# Altium PCB 10515.0462_全联供主板(2拼版)_V1.0.PcbDoc (part 7 of 18)
Units mm, origin at the board's own origin, x right, y up, seen from the top; angles counter-clockwise.
Board outline 282 x 198 mm, 2 copper layers (Top Layer, Bottom Layer); 716 components, 0 nets, 2364 pads, 1800 vias.
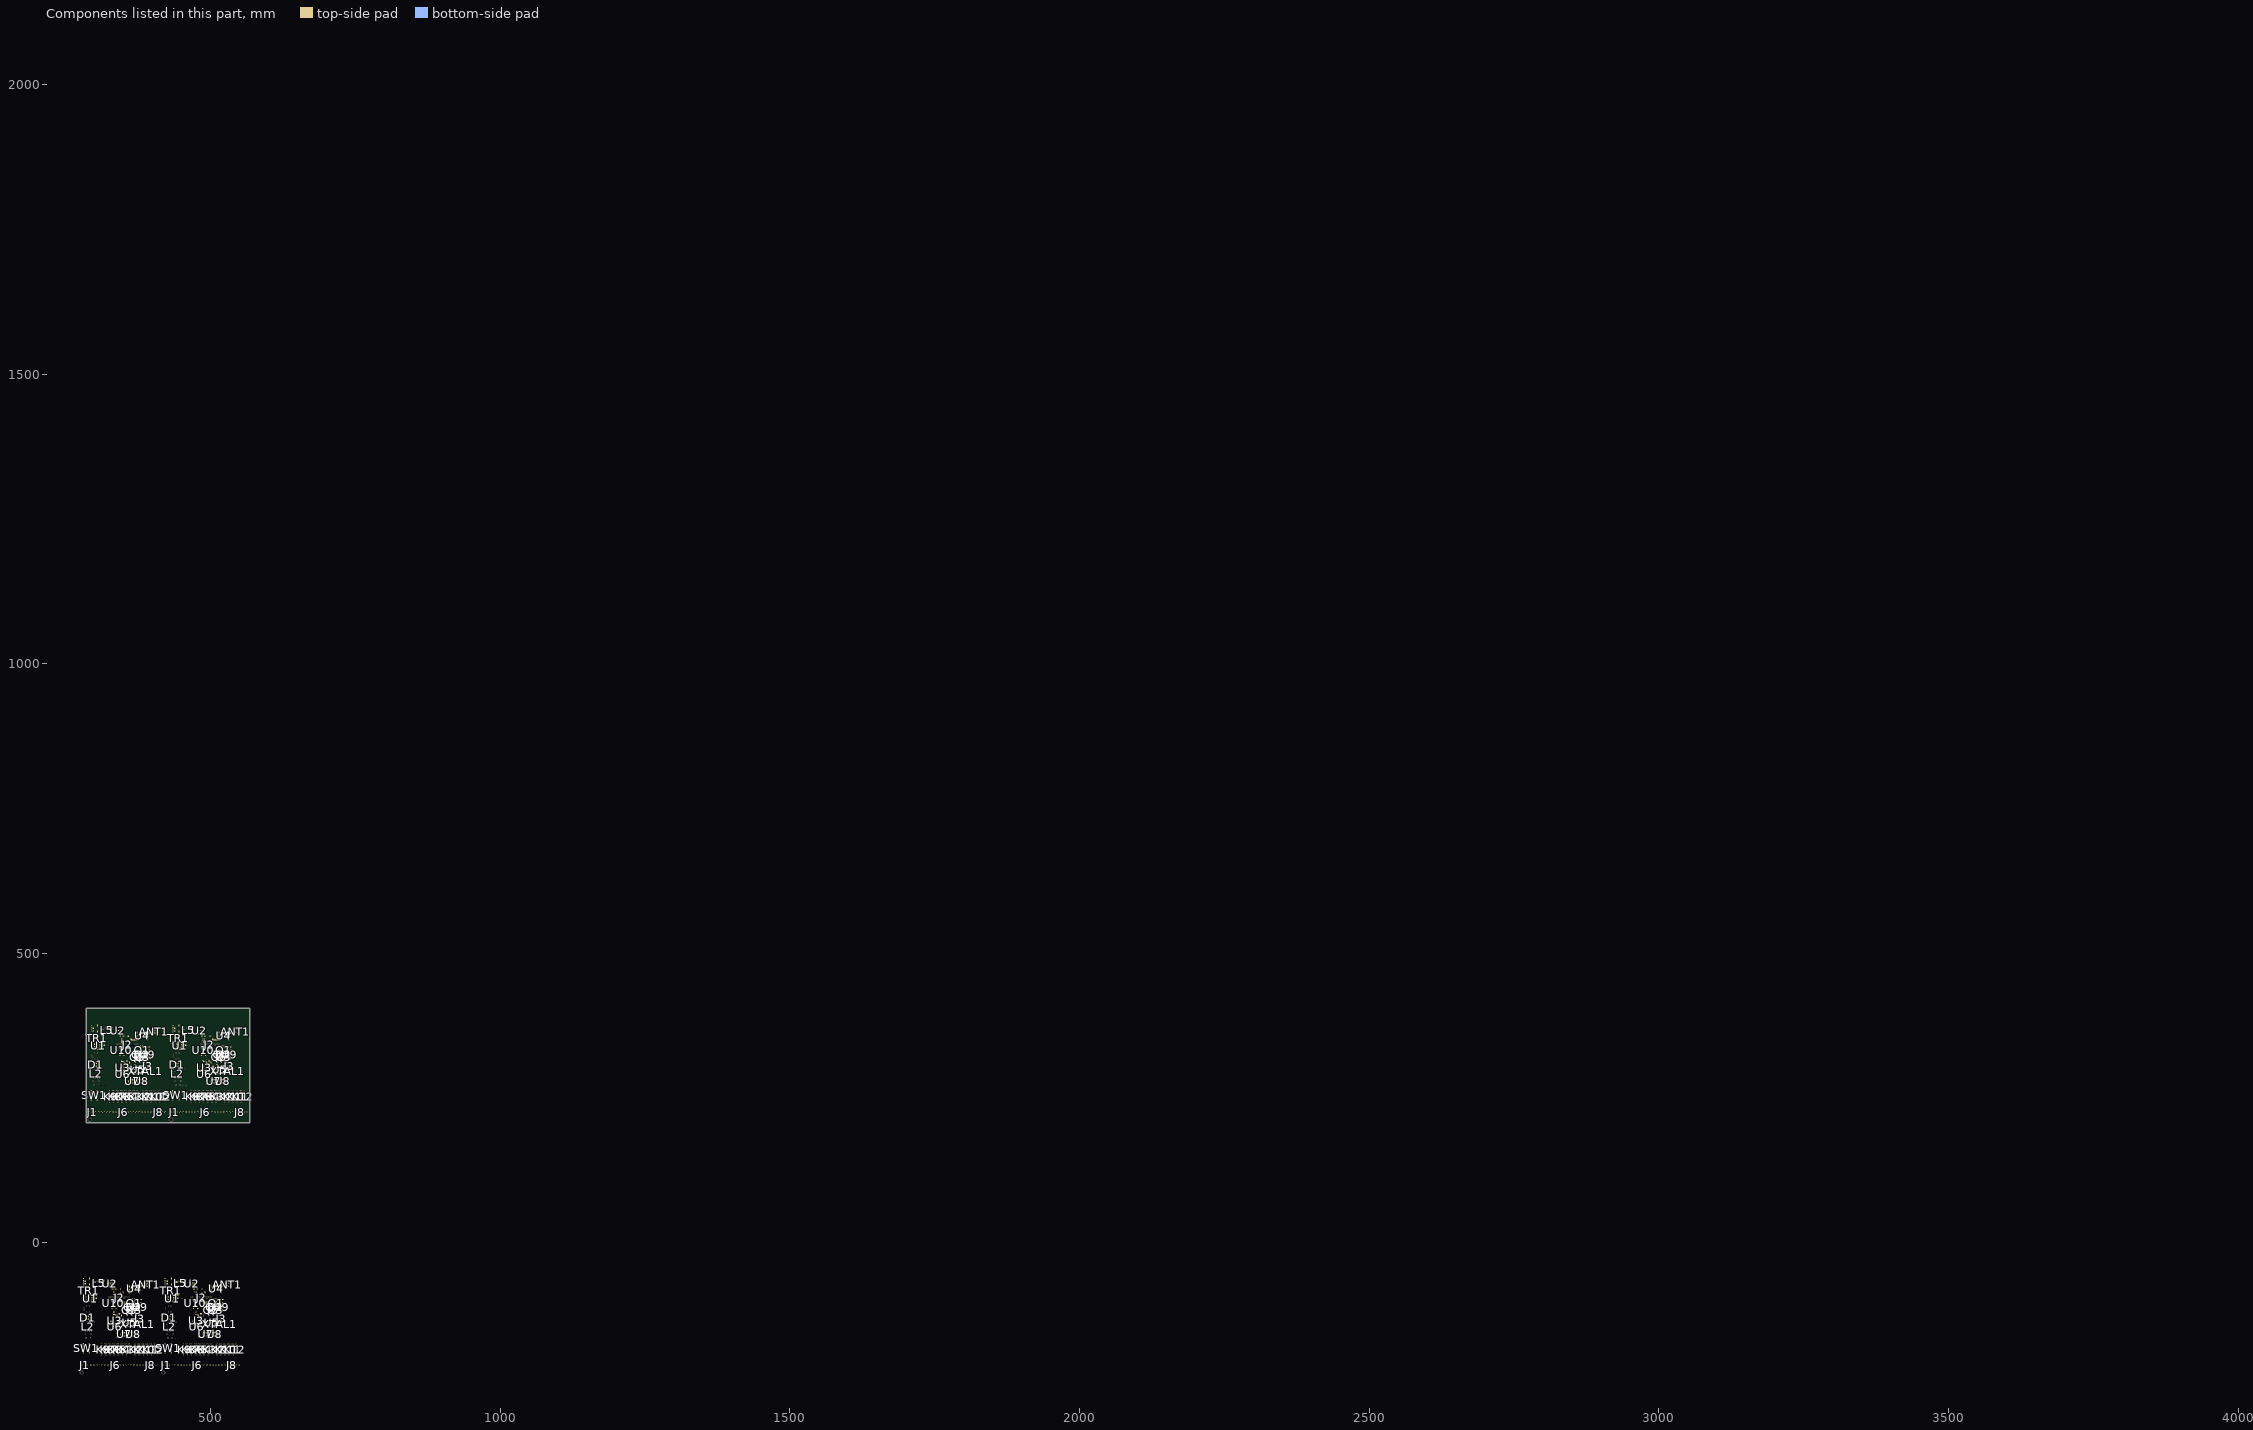
[diagram p7: the components of this part, seen from the top]

## Via types
v1: diameter 0.7, hole 0.4, Top Layer to Bottom Layer, tented both sides, 1800 vias

## Nets (pads, with @x,y where several pads share a name; then routed paths per layer and width w, separated by ;. In a path a pad name is that pad's centre, name@x,y a point inside that pad or via, vN(x,y) a via of type N, cw(c..) or ccw(c..) an arc to the next point about the centre after c; other vN are vias at no path point) (continued)
copper on no net: (continued)
  Top Layer w0.45: 390.197,261.97 390.197,263.712 ; 390.322,-173.798 ccw(c389.169,-172.645) 390.799,-172.645 ccw(c392.429,-172.645) 391.276,-173.798 ; v1@390.329,296.908 cw(c390.034,296.613) 390.452,296.613 ; 390.506,319.548 ccw(c389.632,320.423) v1@390.868,320.423 ; 390.592,304.283 ccw(c390.12,304.755) 390.676,305.125 ; 390.615,262.851 cw(c391.294,263.712) 390.197,263.712 ; 390.634,319.382 390.868,319.616 v1(390.868,320.491) 390.868,322.246 ; 390.672,331.157 ccw(c390.363,331.467) 390.801,331.467 ccw(c391.239,331.467) 390.929,331.157 ; 390.709,301.341 cw(c390.709,300.773) 391.111,301.175 ; 390.71,330.901 cw(c390.329,330.52) 390.868,330.52 ; 390.801,331.029 390.801,338.143 390.545,338.398 ; 390.868,328.342 390.868,330.961 ; v1@390.937,320.594 392.138,320.594 392.138,322.246 ; v1@390.957,320.403 cw(c391.419,319.941) 391.419,320.594 ; 391.047,302.632 cw(c390.406,301.992) 391.312,301.992 cw(c392.217,301.992) 391.577,302.632 ; 391.187,301.431 ccw(c390.886,301.732) 391.312,301.732 ; 391.277,301.303 391.312,301.338 ; 391.312,301.75 ccw(c391.762,301.75) 391.444,301.431 ; 391.312,302.838 391.312,301.338 ; 392.005,336.938 ccw(c390.386,338.558) 392.675,338.631 ; 392.183,319.382 393.731,319.382 ; 392.196,331.157 ccw(c391.887,331.467) 392.325,331.467 ccw(c392.763,331.467) 392.453,331.157 ; 392.311,319.254 cw(c392.621,318.944) 392.621,319.382 cw(c392.621,319.82) 392.311,319.51 ; 392.325,331.029 392.325,331.793 391.815,332.302 391.815,336.747 393.72,338.652 ; 392.74,337.673 ccw(c391.809,338.603) 393.125,338.646 ; 392.856,337.788 cw(c393.339,337.305) 393.339,337.988 ; 392.923,339.17 ccw(c392.012,340.303) 393.466,340.303 ; 392.928,301.303 393.318,301.303 394.912,302.897 394.912,305.078 395.144,305.31 ; 392.966,301.484 ccw(c392.966,302.771) 393.876,301.861 ; 393.303,333.969 ccw(c392.597,334.842) v1(393.72,334.842) ccw(c394.843,334.842) 394.137,333.969 ; 393.408,319.44 393.408,322.246 ; 393.408,320.638 ccw(c394.949,320.638) 393.86,319.548 ; 393.408,324.539 v1(393.408,326.841) ; 393.466,339.949 ccw(c394.635,339.949) 393.808,339.122 ; 393.603,319.254 ccw(c393.293,318.944) 393.293,319.382 ccw(c393.293,319.82) 393.603,319.51 ; 393.72,333.452 v1(393.72,334.842) ; 393.885,330.901 cw(c392.445,329.461) 394.482,329.461 ; 393.93,301.915 ccw(c392.949,302.897) 394.337,302.897 ; 393.976,331.029 394.482,330.523 394.482,326.206 v1(394.228,325.952) ; 394.003,330.848 cw(c393.972,330.339) 394.482,330.339 ; v1@394.139,326.041 ccw(c393.313,326.867) 394.482,326.867 ; 394.195,331.029 ccw(c394.725,331.029) 394.35,330.654 ; 394.204,331.219 cw(c393.532,330.547) 394.482,330.547 ; 394.647,303.162 ccw(c394.006,303.802) 394.912,303.802 ccw(c395.817,303.802) 395.177,303.162 ; 394.746,305.039 cw(c394.346,304.639) 394.912,304.639 ; 394.912,303.519 cw(c397.062,303.519) 395.541,305.039 ; 394.912,304.606 cw(c395.975,304.606) 395.223,305.358 ; 395.042,364.82 395.208,364.654 401.201,364.654 ; 395.311,364.538 cw(c395.59,364.259) 395.59,364.654 ; 395.311,364.795 ccw(c395.651,365.135) 395.651,364.654 ; 396.865,262.823 ccw(c395.961,263.832) 397.316,263.832 ; 397.316,261.97 397.316,263.832 ; 397.561,-173.798 ccw(c396.408,-172.645) 398.038,-172.645 ccw(c399.668,-172.645) 398.515,-173.798 ; 397.605,361.399 ccw(c396.26,360.49) v1@396.26,362.114 ; 397.605,362.828 cw(c396.26,363.738) v1@396.26,362.114 ; 397.766,262.823 cw(c398.671,263.832) 397.316,263.832 ; 397.978,361.651 ccw(c397.108,361.063) 397.108,362.114 ccw(c397.108,363.164) 397.978,362.576 ; 398.546,362.114 v1@396.26,362.114 ; 400.371,363.823 ccw(c398.365,361.817) 398.365,364.654 ccw(c398.365,367.49) 400.371,365.484 ; 400.689,364.141 ccw(c399.451,362.903) 399.451,364.654 ccw(c399.451,366.404) 400.689,365.166 ; 403.95,262.798 ccw(c402.798,263.95) 404.428,263.95 ccw(c406.057,263.95) 404.905,262.798 ; 411.189,262.798 ccw(c410.037,263.95) 411.667,263.95 ccw(c413.296,263.95) 412.144,262.798 ; 430.059,-97.823 430.059,-97.562 ; 430.059,-95.283 430.059,-94.895 ; 431.415,-99.768 ccw(c431.263,-99.478) 431.59,-99.478 ; 431.59,-100.099 431.59,-99.478 ; 431.677,-100.099 cw(c433.386,-100.099) 432.178,-98.891 ; 431.765,-99.768 cw(c431.917,-99.478) 431.59,-99.478 ; 432.127,-100.099 cw(c434.923,-100.099) 432.946,-98.123 ; 433.576,-99.834 ccw(c432.851,-99.11) 433.876,-99.11 ; 433.876,-99.972 433.876,-96.049 434.642,-95.283 436.155,-95.283 438.071,-95.283 438.448,-94.906 438.448,-93.763 439.464,-92.747 ; 433.876,-99.279 ccw(c434.662,-99.279) 434.106,-99.834 ; 436.155,-97.823 439.976,-97.823 ; 436.155,-94.013 433.753,-94.013 432.987,-94.779 432.987,-98.081 431.59,-99.478 ; 436.375,-90.056 ccw(c437.32,-89.112) 437.32,-90.447 ; 436.693,-89.738 ccw(c438.406,-88.025) 438.406,-90.447 ; 437.012,-89.42 ccw(c439.492,-86.939) 439.492,-90.447 ; 437.226,-90.447 440.48,-90.447 443.209,-90.447 ; 438.196,-97.823 ccw(c438.196,-95.198) 440.053,-97.054 ; 439.283,-97.823 ccw(c439.283,-96.284) 440.371,-97.372 ; 440.042,-93.001 ccw(c439.464,-93.532) 439.464,-92.747 ; 440.042,-92.494 cw(c439.464,-91.963) 439.464,-92.747 ; 440.053,-90.713 ccw(c439.413,-91.353) 439.413,-90.447 ccw(c439.413,-89.542) 440.053,-90.182 ; 440.48,-92.747 439.464,-92.747 ; 440.632,-90.447 ccw(c440.632,-87.582) 442.658,-89.608 ; 440.907,-90.713 cw(c441.547,-91.353) 441.547,-90.447 cw(c441.547,-89.542) 440.907,-90.182 ; 441.356,-90.447 cw(c441.356,-92.29) 442.658,-90.987 ; 441.494,-90.447 cw(c441.494,-92.639) 443.119,-91.169 ; 441.719,-90.447 ccw(c441.719,-88.668) 442.977,-89.926 ; 442.047,-90.447 ccw(c442.047,-89.355) 442.819,-90.128 ; v1(442.986,-81.687) 444.002,-82.703 445.78,-82.703 ; v1@443.191,-81.892 ccw(c443.621,-81.462) v1@443.621,-82.07 ; 443.494,-80.544 442.859,-80.544 442.605,-80.798 442.605,-82.068 443.24,-82.703 445.78,-82.703 ; 443.688,338.772 443.688,339.033 ; 443.688,341.312 443.688,341.7 ; v1@443.746,-82.195 ccw(c444.354,-82.195) 443.924,-82.625 ; 445.044,336.828 ccw(c444.892,337.117) 445.219,337.117 ccw(c445.545,337.117) 445.393,336.828 ; 445.219,336.496 445.219,337.117 446.616,338.514 446.616,341.816 447.382,342.582 449.784,342.582 ; 445.306,336.496 cw(c447.015,336.496) 445.806,337.705 ; 445.756,336.496 cw(c448.551,336.496) 446.575,338.473 ; 447.205,336.761 ccw(c446.48,337.486) 447.505,337.486 ; 447.505,336.623 447.505,340.546 448.271,341.312 449.784,341.312 451.7,341.312 452.077,341.689 452.077,342.832 453.093,343.848 ; 447.505,337.317 ccw(c448.291,337.317) 447.735,336.761 ; 449.784,338.772 453.605,338.772 ; 450.004,346.539 ccw(c450.948,347.484) 450.948,346.148 ; 450.322,346.857 ccw(c452.035,348.57) 452.035,346.148 ; 450.64,347.176 ccw(c453.121,349.656) 453.121,346.148 ; 450.855,346.148 454.109,346.148 456.838,346.148 ; 451.825,338.772 ccw(c451.825,341.398) 453.682,339.541 ; 452.194,-173.925 ccw(c451.041,-172.772) 452.671,-172.772 ccw(c454.301,-172.772) 453.148,-173.925 ; 452.671,-174.752 452.671,-172.123 455.72,-169.074 487.978,-169.074 488.613,-168.439 488.613,-166.153 488.613,-160.438 ; 452.912,338.772 ccw(c452.912,340.311) 454,339.223 ; 453.671,343.594 ccw(c453.093,343.063) 453.093,343.848 ; 453.671,344.102 cw(c453.093,344.633) 453.093,343.848 ; 453.682,345.883 ccw(c453.041,345.243) 453.041,346.148 ccw(c453.041,347.053) 453.682,346.413 ; 454.109,343.848 453.093,343.848 ; 454.261,346.148 ccw(c454.261,349.013) 456.287,346.987 ; 454.536,345.883 cw(c455.176,345.243) 455.176,346.148 cw(c455.176,347.053) 454.536,346.413 ; 454.985,346.148 cw(c454.985,344.306) 456.287,345.608 ; 455.123,346.148 cw(c455.123,343.956) 456.748,345.426 ; 455.348,346.148 ccw(c455.348,347.927) 456.605,346.669 ; 455.676,346.148 ccw(c455.676,347.24) 456.448,346.468 ; v1(456.615,354.908) 457.631,353.892 459.409,353.892 ; v1@456.82,354.704 ccw(c457.25,355.134) v1@457.25,354.525 ; 457.083,-83.846 455.94,-82.703 445.78,-82.703 ; 457.123,356.051 456.488,356.051 456.234,355.797 456.234,354.527 456.869,353.892 459.409,353.892 ; v1@457.375,354.4 ccw(c457.983,354.4) 457.553,353.97 ; 459.379,-173.925 ccw(c458.227,-172.772) 459.856,-172.772 ccw(c461.486,-172.772) 460.334,-173.925 ; 459.856,-174.752 459.856,-172.05 462.1,-169.806 488.897,-169.806 489.883,-168.82 489.883,-166.534 489.883,-160.438 ; 461.995,-71.781 462.544,-71.781 ; 462.29,-72.035 462.544,-71.781 ; 462.544,-71.831 cw(c463.391,-71.831) 462.932,-71.119 ; 462.63,-67.78 cw(c462.139,-68.272) 462.834,-68.272 ; 462.706,-69.111 ccw(c462.396,-68.802) 462.834,-68.802 ccw(c463.272,-68.802) 462.962,-69.111 ; 462.834,-71.781 462.925,-71.781 ; 462.834,-67.666 462.834,-69.278 463.198,-69.642 465.458,-69.642 ; 462.847,-70.942 465.458,-70.942 ; 462.962,-70.801 ccw(c463.304,-70.459) 463.304,-70.942 ; 462.962,-69.188 ccw(c464.06,-68.09) 464.06,-69.642 ; 462.979,-70.857 ccw(c463.814,-70.225) v1@463.814,-71.273 ; 463.772,-70.942 ccw(c463.772,-70.469) v1@464.107,-70.804 ; v1@464.08,-70.844 cw(c463.433,-70.571) 463.433,-71.273 ; v1(464.195,-70.892) v1@463.814,-71.273 ; v1@464.284,-70.804 ccw(c464.618,-70.469) 464.618,-70.942 ; 464.436,-67.717 v1(465.211,-67.717) ; 464.538,-67.524 ccw(c465.004,-67.058) v1@465.004,-67.717 ; 464.713,-72.76 cw(c464.403,-73.07) 464.841,-73.07 cw(c465.279,-73.07) 464.97,-72.76 ; 464.841,-75.022 ccw(c465.32,-75.022) 465.073,-75.432 ; 464.841,-74.225 ccw(c465.8,-74.225) 465.305,-75.047 ; 464.841,-73.429 ccw(c466.28,-73.429) 465.538,-74.661 ; 465.36,-96.285 cw(c464.93,-97.235) 465.973,-97.235 ; 465.499,-75.475 464.841,-74.818 464.841,-72.632 ccw(c466.76,-72.632) 465.77,-74.276 ; 465.545,-95.875 cw(c465.245,-96.538) 465.973,-96.538 ; 465.822,262.671 ccw(c464.67,263.823) 466.3,263.823 ccw(c467.929,263.823) 466.777,262.671 ; 465.973,-96.188 465.973,-97.181 ; 466.3,261.843 466.3,264.472 469.349,267.521 501.607,267.521 502.242,268.156 502.242,270.442 502.242,276.157 ; 466.474,-96.565 cw(c468.121,-98.212) 468.121,-95.882 ; 466.492,-72.632 467.901,-72.632 ; 466.539,-173.925 ccw(c465.386,-172.772) 467.016,-172.772 ccw(c468.645,-172.772) 467.493,-173.925 ; 466.659,-72.76 cw(c466.968,-73.07) 466.968,-72.632 cw(c466.968,-72.194) 466.659,-72.504 ; 466.804,-96.234 cw(c467.304,-96.735) 467.769,-96.201 ; 466.989,-129.312 465.973,-128.296 465.973,-97.181 ; 467.016,-174.752 467.016,-172.257 468.816,-170.456 490.025,-170.456 491.153,-169.328 491.153,-167.042 491.153,-160.438 ; 467.145,-95.893 cw(c467.622,-96.37) 468.064,-95.861 ; 467.242,-95.797 cw(c468.121,-96.675) 468.121,-95.432 ; 467.243,-95.795 465.973,-97.065 465.973,-97.181 ; 467.387,-72.632 ccw(c467.387,-72.102) 467.761,-72.477 ; 468.243,-136.468 469.848,-136.468 470.123,-136.193 v1(470.672,-136.193) ; 468.243,-134.817 469.786,-134.817 ; 468.371,-136.596 cw(c468.681,-136.906) 468.681,-136.468 cw(c468.681,-136.03) 468.371,-136.34 ; 468.371,-134.945 cw(c468.681,-135.255) 468.681,-134.817 cw(c468.681,-134.379) 468.371,-134.689 ; 469.362,-136.468 ccw(c469.362,-136.006) 469.689,-136.333 ; 469.362,-134.817 ccw(c469.362,-134.355) 469.689,-134.682 ; 469.396,-136.468 cw(c469.396,-136.882) 469.689,-136.589 ; 469.396,-134.817 cw(c469.396,-135.231) 469.689,-134.938 ; v1(469.656,-68.987) 470.412,-68.987 ; 469.849,-136.467 cw(c470.357,-136.975) v1@470.625,-136.309 ; 469.892,-134.923 472.294,-134.923 474.273,-134.923 474.58,-135.229 474.58,-138.086 ; v1@469.899,-68.987 cw(c469.899,-69.7) 470.403,-69.196 ; 469.945,-134.758 ccw(c470.343,-134.36) 470.343,-134.923 ; 469.966,-136.564 cw(c470.672,-137.049) v1(470.672,-136.193) ; 470.329,-145.584 472.364,-145.584 ; 470.448,-144.314 472.364,-144.314 478.46,-144.314 ; 470.452,-132.887 cw(c471.072,-132.887) v1@470.634,-132.448 ; v1@470.634,-132.272 ccw(c470.902,-132.004) 470.902,-132.383 ; 470.661,-92.718 ccw(c470.661,-91.422) 471.578,-92.339 ccw(c472.494,-93.255) 471.198,-93.255 cw(c473.722,-93.255) 471.937,-91.471 ; 470.712,352.749 469.569,353.892 459.409,353.892 ; 470.748,-93.255 cw(c472.185,-93.255) 471.169,-92.239 ; 471.561,-91.466 472.654,-90.373 473.238,-90.373 472.145,-91.466 ; 471.942,-91.466 470.661,-92.747 470.661,-93.255 472.45,-91.466 ; 471.959,-91.068 cw(c473.199,-92.309) 473.199,-90.554 ; 472.294,-136.193 v1(470.672,-136.193) ; 472.294,-133.653 470.463,-133.653 470.452,-133.641 470.452,-132.394 470.463,-132.383 472.294,-132.383 ; 472.364,-146.854 470.456,-146.854 470.325,-146.722 470.325,-143.42 470.702,-143.044 472.364,-143.044 474.258,-143.044 474.516,-142.785 474.516,-141.515 474.516,-140.708 474.736,-140.488 v1(477.403,-140.488) ; 472.381,-90.646 cw(c472.824,-91.089) 473.115,-90.534 ; 472.727,-90.3 cw(c473.199,-90.772) 473.199,-90.104 ; 472.863,-90.748 ccw(c472.488,-90.373) 473.018,-90.373 ; 473.008,262.671 ccw(c471.855,263.823) 473.485,263.823 ccw(c475.115,263.823) 473.962,262.671 ; 473.071,-90.501 ccw(c472.761,-90.811) 472.761,-90.373 ccw(c472.761,-89.935) 473.071,-90.245 ; 473.485,261.843 473.485,264.545 475.729,266.789 502.526,266.789 503.512,267.775 503.512,270.061 503.512,276.157 ; 473.786,-173.851 ccw(c473.253,-173.098) 474.175,-173.098 ; 474.175,-174.752 474.175,-173.098 ; 474.362,-131.053 cw(c474.053,-131.362) 474.491,-131.362 cw(c474.929,-131.362) 474.619,-131.053 ; 474.388,-141.644 cw(c474.078,-141.953) 474.516,-141.953 cw(c474.954,-141.953) 474.644,-141.644 ; 474.388,-141.387 ccw(c474.078,-141.077) 474.516,-141.077 ccw(c474.954,-141.077) 474.644,-141.387 ; 474.451,-137.958 ccw(c474.142,-137.648) 474.58,-137.648 ccw(c475.017,-137.648) 474.708,-137.958 ; v1(474.491,-134.13) 474.491,-131.051 ; 474.565,-173.851 cw(c475.098,-173.098) 474.175,-173.098 ; 475.624,364.814 476.173,364.814 ; 475.919,364.56 476.173,364.814 ; 476.013,-131.053 cw(c475.724,-131.342) 476.133,-131.342 ; 476.039,-141.644 cw(c475.729,-141.953) 476.167,-141.953 cw(c476.605,-141.953) 476.295,-141.644 ; 476.102,-137.958 ccw(c475.793,-137.648) 476.231,-137.648 ccw(c476.668,-137.648) 476.359,-137.958 ; 476.133,-131.383 cw(c476.6,-131.383) 476.27,-131.053 ; 476.133,-131.09 476.133,-131.957 476.559,-132.383 478.39,-132.383 ; 476.173,364.764 cw(c477.019,364.764) 476.561,365.476 ; 476.231,-138.086 476.231,-134.086 476.664,-133.653 478.39,-133.653 480.537,-133.653 480.993,-133.197 ; 476.259,368.815 cw(c475.767,368.323) 476.463,368.323 ; 476.333,-141.644 cw(c476.643,-141.953) 476.643,-141.515 cw(c476.643,-141.077) 476.333,-141.387 ; 476.335,367.484 ccw(c476.025,367.794) 476.463,367.794 ccw(c476.901,367.794) 476.591,367.484 ; 476.463,364.814 476.554,364.814 ; 476.463,368.93 476.463,367.318 476.827,366.953 479.087,366.953 ; 476.476,365.653 479.087,365.653 ; 476.591,365.795 ccw(c476.933,366.137) 476.933,365.653 ; 476.591,367.408 ccw(c477.688,368.505) 477.688,366.953 ; 476.607,365.738 ccw(c477.443,366.37) v1@477.443,365.322 ; 477.401,365.653 ccw(c477.401,366.127) v1@477.736,365.792 ; v1(477.694,-138.112) 481.07,-138.112 485.642,-138.112 ; v1@477.709,365.752 cw(c477.062,366.024) 477.062,365.322 ; v1(477.773,-141.515) 476.167,-141.515 476.167,-142.785 476.425,-143.044 478.46,-143.044 ; v1(477.824,365.703) v1@477.443,365.322 ; v1@477.912,365.792 ccw(c478.247,366.127) 478.247,365.653 ; 478.065,368.878 v1(478.84,368.878) ; 478.167,369.072 ccw(c478.633,369.538) v1@478.633,368.878 ; 478.342,363.835 cw(c478.032,363.525) 478.47,363.525 cw(c478.908,363.525) 478.598,363.835 ; 478.39,-136.193 480.853,-136.193 481.095,-136.435 482.517,-136.435 ; 478.39,-134.923 482.442,-134.923 482.517,-134.848 ; 478.47,361.574 ccw(c478.949,361.574) 478.702,361.163 ; 478.47,362.37 ccw(c479.429,362.37) 478.934,361.549 ; 478.47,363.167 ccw(c479.909,363.167) 479.166,361.934 ; 478.988,340.311 cw(c478.559,339.36) 479.602,339.36 ; 479.128,361.12 478.47,361.778 478.47,363.963 ccw(c480.389,363.963) 479.399,362.32 ; 479.174,340.721 cw(c478.874,340.058) 479.602,340.058 ; 479.547,-133.653 ccw(c479.547,-131.789) 480.865,-133.107 ; 479.602,340.408 479.602,339.414 ; 480.077,-136.193 cw(c480.077,-137.416) 480.942,-136.551 ; 480.103,340.031 cw(c481.75,338.384) 481.75,340.713 ; 480.121,363.963 481.529,363.963 ; 480.167,262.671 ccw(c479.015,263.823) 480.645,263.823 ccw(c482.274,263.823) 481.122,262.671 ; 480.288,363.835 cw(c480.597,363.525) 480.597,363.963 cw(c480.597,364.401) 480.288,364.092 ; 480.433,340.361 cw(c480.933,339.861) 481.397,340.395 ; 480.467,-134.923 ccw(c480.467,-134.36) 480.865,-134.758 ; 480.618,307.283 479.602,308.299 479.602,339.414 ; 480.618,-133.572 cw(c480.993,-133.946) 480.993,-133.416 ; 480.633,-133.653 ccw(c480.633,-132.875) 481.183,-133.425 ; 480.645,261.843 480.645,264.339 482.445,266.139 503.654,266.139 504.782,267.267 504.782,269.553 504.782,276.157 ; 480.774,340.702 cw(c481.251,340.226) 481.693,340.734 ; 480.871,340.799 cw(c481.75,339.92) 481.75,341.163 ; 480.872,340.8 479.602,339.53 479.602,339.414 ; 480.942,-138.24 ccw(c480.632,-138.55) 480.632,-138.112 ccw(c480.632,-137.674) 480.942,-137.984 ; 481.015,363.963 ccw(c481.015,364.493) 481.39,364.119 ; 481.111,-174.417 cw(c482.424,-174.331) 481.493,-173.4 ; 481.121,-134.758 ccw(c481.519,-134.36) 481.519,-134.923 ; 481.198,-138.24 cw(c481.508,-138.55) 481.508,-138.112 cw(c481.508,-137.674) 481.198,-137.984 ; 481.198,-136.551 cw(c481.477,-136.83) 481.477,-136.435 ; 481.198,-136.294 ccw(c481.539,-135.954) 481.539,-136.435 ; 481.335,-174.752 481.335,-173.558 482.898,-171.995 492.169,-171.995 493.693,-170.471 493.693,-168.185 493.693,-160.438 ; 481.56,-174.387 cw(c483.742,-174.244) 482.196,-172.698 ; 481.872,300.128 483.477,300.128 483.752,300.403 v1(484.301,300.403) ; 481.872,301.779 483.415,301.779 ; 481.991,-134.923 ccw(c481.991,-134.36) 482.389,-134.758 ; 482,299.999 cw(c482.31,299.69) 482.31,300.128 cw(c482.31,300.566) 482,300.256 ; 482,301.65 cw(c482.31,301.341) 482.31,301.779 cw(c482.31,302.217) 482,301.907 ; 482.009,-174.358 cw(c485.06,-174.158) 482.898,-171.996 ; 482.351,-136.564 ccw(c482.041,-136.873) 482.041,-136.435 ccw(c482.041,-135.997) 482.351,-136.307 ; 482.517,-133.197 v1(483.447,-133.197) ; 482.645,-133.325 cw(c482.955,-133.635) 482.955,-133.197 cw(c482.955,-132.759) 482.645,-133.069 ; 482.991,300.128 ccw(c482.991,300.59) 483.318,300.263 ; 482.991,301.779 ccw(c482.991,302.241) 483.318,301.914 ; 483.025,300.128 cw(c483.025,299.714) 483.318,300.006 ; 483.025,301.779 cw(c483.025,301.365) 483.318,301.657 ; v1(483.285,367.608) 484.041,367.608 ; 483.478,300.128 cw(c483.986,299.62) v1@484.254,300.287 ; 483.52,301.673 485.923,301.673 487.902,301.673 488.208,301.367 488.208,298.509 ; v1@483.528,367.608 cw(c483.528,366.896) 484.032,367.4 ; 483.574,301.838 ccw(c483.972,302.236) 483.972,301.673 ; 483.595,300.032 cw(c484.301,299.546) v1(484.301,300.403) ; 483.958,291.012 485.993,291.012 ; 484.077,292.282 485.993,292.282 492.089,292.282 ; 484.081,303.709 cw(c484.7,303.709) v1@484.262,304.147 ; 484.168,-136.435 487.102,-136.435 ; v1@484.262,304.324 ccw(c484.53,304.592) 484.53,304.213 ; 484.29,343.877 ccw(c484.29,345.174) 485.206,344.257 ccw(c486.123,343.34) 484.827,343.34 cw(c487.35,343.34) 485.566,345.125 ; 484.334,-136.564 cw(c484.644,-136.873) 484.644,-136.435 cw(c484.644,-135.997) 484.334,-136.307 ; 484.377,343.34 cw(c485.814,343.34) 484.798,344.356 ; 484.475,-80.259 cw(c483.152,-81.582) 485.023,-81.582 cw(c486.894,-81.582) 485.571,-80.259 ; 485.023,-86.711 485.628,-86.107 ; 485.023,-79.711 485.023,-83.719 485.468,-84.163 485.76,-84.456 490.661,-84.456 490.737,-84.379 500.054,-84.379 500.303,-84.13 ; 485.173,-136.435 ccw(c485.173,-135.954) 485.514,-136.294 ; 485.19,345.129 486.283,346.222 486.866,346.222 485.773,345.129 ; 485.235,-136.435 cw(c485.235,-136.83) 485.514,-136.551 ; 485.488,-158.635 486.683,-158.635 ; 485.514,-138.24 ccw(c485.204,-138.55) 485.204,-138.112 ccw(c485.204,-137.674) 485.514,-137.984 ; 485.571,345.129 484.29,343.848 484.29,343.34 486.079,345.129 ; 485.588,345.527 cw(c486.828,344.287) 486.828,346.041 ; 485.616,-158.763 cw(c485.926,-159.073) 485.926,-158.635 cw(c485.926,-158.197) 485.616,-158.507 ; 485.616,-157.112 cw(c485.926,-157.422) 485.926,-156.984 cw(c485.926,-156.546) 485.616,-156.856 ; 485.77,-136.551 cw(c486.049,-136.83) 486.049,-136.435 ; 485.77,-136.294 ccw(c486.111,-135.954) 486.111,-136.435 ; 485.923,300.403 v1(484.301,300.403) ; 485.923,302.943 484.092,302.943 484.081,302.954 484.081,304.202 484.092,304.213 485.923,304.213 ; 485.993,289.742 484.085,289.742 483.954,289.873 483.954,293.175 484.331,293.552 485.993,293.552 487.887,293.552 